# Altium PCB CHEM_CONTROL_BOX.PcbDoc (part 3 of 3)
Units mil, origin at the board's own origin, x right, y up, seen from the top; angles counter-clockwise.
Board outline 17180 x 8000 mil, 2 copper layers (Top Layer, Bottom Layer), stack 65.3 mil thick; 278 components, 287 nets, 1298 pads, 479 vias.
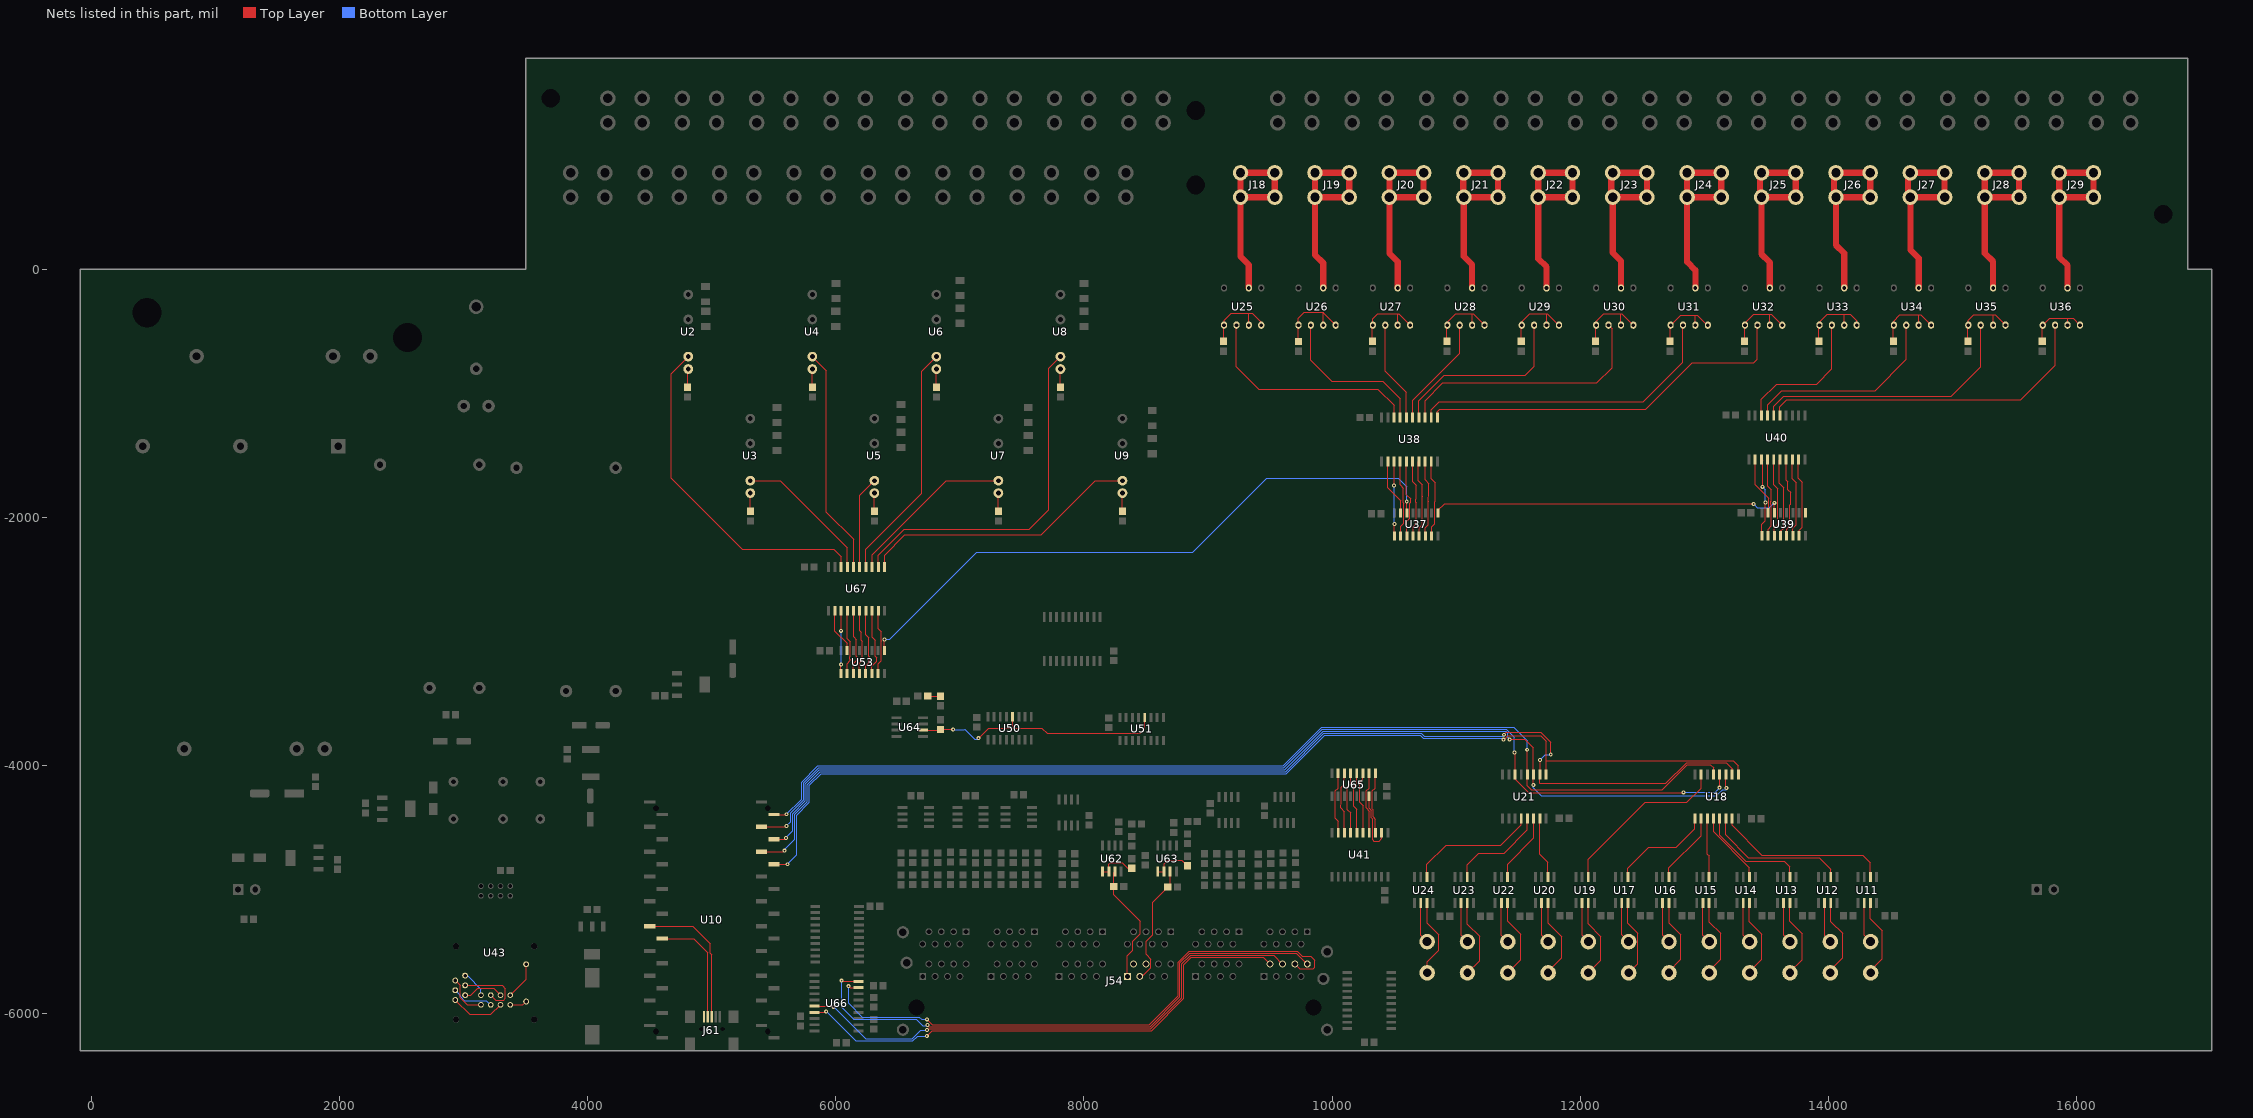
[diagram p3: the nets of this part, all layers, seen from the top]

## Via types
v1: diameter 32, hole 15, Top Layer to Bottom Layer, tented both sides, 259 vias
v2: diameter 40, hole 20, Top Layer to Bottom Layer, tented both sides, 217 vias
v3: diameter 32, hole 15, Top Layer to Bottom Layer, 3 vias

## Nets (pads, with @x,y where several pads share a name; then routed paths per layer and width w, separated by ;. In a path a pad name is that pad's centre, name@x,y a point inside that pad or via, vN(x,y) a via of type N, cw(c..) or ccw(c..) an arc to the next point about the centre after c; other vN are vias at no path point) (continued)
NetR1_2: R1.2 U25.1 U25.3 U25.4 | length 642.5
  Top Layer w6: R1.2@9125,-580.63 U25.1@9125,-454 ; U25.1@9129,-450 9129,-410 9186,-353 9325,-353 ; U25.3@9329,-450 9329,-357 9325,-353 ; U25.4@9429,-450 9429,-427 9355,-353 9325,-353
NetR2_2: R2.2 U2.4 | length 141.6
  Top Layer w8: R2.2@4805,-950.63 U2.4@4805,-809
NetR3_2: R3.2 U3.4 | length 146.6
  Top Layer w8: R3.2@5310,-1950.63 U3.4@5310,-1804
NetR4_2: R4.2 U4.4 | length 146.6
  Top Layer w8: R4.2@5810,-950.63 U4.4@5810,-804
NetR5_2: R5.2 U5.4 | length 146.6
  Top Layer w8: R5.2@6310,-1950.63 U5.4@6310,-1804
NetR6_2: R6.2 U6.4 | length 146.6
  Top Layer w8: R6.2@6810,-950.63 U6.4@6810,-804
NetR7_2: R7.2 U7.4 | length 146.6
  Top Layer w8: R7.2@7310,-1950.63 U7.4@7310,-1804
NetR8_2: R8.2 U8.4 | length 146.6
  Top Layer w8: R8.2@7810,-950.63 U8.4@7810,-804
NetR9_2: R9.2 U9.4 | length 146.6
  Top Layer w8: R9.2@8310,-1950.63 U9.4@8310,-1804
NetR10_2: R10.2 U26.1 U26.3 U26.4 | length 647.3
  Top Layer w6: R10.2@9728,-581.63 U26.1@9728,-451 ; U26.1@9729,-450 9729,-395 9776,-348 9927,-348 9929,-350 ; U26.3@9929,-450 9929,-350 ; U26.4@10029,-450 9929,-350
NetR11_2: R11.2 U27.1 U27.3 U27.4 | length 629.2
  Top Layer w6: R11.2@10325,-580.63 U27.1@10325,-454 ; U27.1@10329,-450 10329,-397 10368,-358 10537,-358 ; U27.3@10529,-450 10529,-366 10537,-358 ; U27.4@10629,-450 10537,-358
NetR12_2: R12.2 U28.1 U28.3 U28.4 | length 614
  Top Layer w6: R12.2@10925,-580.63 10925,-454 U28.1@10929,-450 10929,-426 10996,-359 11126,-359 ; U28.3@11129,-450 11129,-362 11126,-359 ; U28.4@11229,-450 11138,-359 11126,-359
NetR13_2: R13.2 U29.1 U29.3 U29.4 | length 615.4
  Top Layer w6: R13.2@11525,-580.63 U29.1@11525,-454 ; U29.1@11529,-450 11529,-423 11595,-357 11736,-357 ; U29.3@11729,-450 11729,-364 11736,-357 ; U29.4@11829,-450 11736,-357
NetR14_2: R14.2 U30.1 U30.3 U30.4 | length 614.7
  Top Layer w6: R14.2@12125,-580.63 U30.1@12125,-454 ; U30.1@12129,-450 12129,-420 12192,-357 12330,-357 ; U30.3@12329,-450 12329,-358 12330,-357 ; U30.4@12429,-450 12336,-357 12330,-357
NetR15_2: R15.2 U31.1 U31.3 U31.4 | length 580.2
  Top Layer w6: R15.2@12725,-580.63 12725,-454 U31.1@12729,-450 12809,-370 12925,-370 ; U31.3@12929,-450 12929,-374 12925,-370 ; U31.4@13029,-450 13025,-450 12945,-370 12925,-370
NetR16_2: R16.2 U32.1 U32.3 U32.4 | length 597.1
  Top Layer w6: R16.2@13325,-580.63 U32.1@13325,-454 ; U32.1@13329,-450 13329,-430 13398,-361 13540,-361 U32.4@13629,-450 ; U32.3@13529,-450 13529,-365
NetR17_2: R17.2 U33.1 U33.3 U33.4 | length 618.3
  Top Layer w6: R17.2@13925,-580.63 U33.1@13925,-454 ; U33.1@13929,-450 13929,-427 13992,-364 14130,-364 ; U33.3@14129,-450 14129,-365 14130,-364 ; U33.4@14229,-450 14229,-415 14178,-364 14130,-364
NetR18_2: R18.2 U34.1 U34.3 U34.4 | length 595.9
  Top Layer w6: R18.2@14525,-580.63 U34.1@14525,-454 ; U34.1@14529,-450 14529,-417 14578,-368 14729,-368 ; U34.3@14729,-450 14729,-368 ; U34.4@14829,-450 14747,-368 14729,-368
NetR19_2: R19.2 U35.1 U35.3 U35.4 | length 603.5
  Top Layer w6: R19.2@15125,-580.63 U35.1@15125,-454 ; U35.1@15129,-450 15129,-411 15174,-366 15330,-366 ; U35.3@15329,-450 15329,-367 15330,-366 ; U35.4@15429,-450 15345,-366 15330,-366
NetR20_2: R20.2 U36.1 U36.3 U36.4 | length 526.2
  Top Layer w6: R20.2@15725,-580.63 U36.1@15725,-454 ; U36.1@15729,-450 15784,-395 15974,-395 U36.4@16029,-450 ; U36.3@15929,-450 15929,-396
NetR35_1: R35.1 U50.12 U51.12 U64.6 | length 2103.7
  Top Layer w8: U64.6@6700.32,-3715 6839.37,-3715 R35.1@6845,-3709.37 6945.37,-3709.37 v1(6946,-3710) ; v1@7150,-3790 v1(7150,-3780) 7232,-3698 7445,-3698 ; U50.12@7425,-3607.48 7425,-3678 7445,-3698 ; U51.12@8490,-3612.48 8490,-3704 8453,-3741 7703,-3741 7660,-3698 7445,-3698
  Bottom Layer w8: v1(6946,-3710) 7036,-3710 7037,-3709 7118,-3790 7150,-3790 v1(7150,-3780)
NetR36_1: R36.1 R63.2 | length 105.9
  Top Layer w8: R63.2@6739.37,-3440 6844.37,-3440 R36.1@6845,-3440.63
NetR45_1: R45.1 U62.1 U62.2 | length 316.9
  Top Layer w8: U62.1@8150,-4855.31 U62.2@8200,-4855.31 8200,-4798 8214,-4784 8309,-4784 8354.37,-4829.37 R45.1@8385,-4829.37
NetR48_1: R48.1 U63.1 U63.2 | length 334.3
  Top Layer w8: U63.1@8595,-4855.31 U63.2@8645,-4855.31 8646,-4854.31 8646,-4790 8672,-4764 8789.63,-4764 R48.1@8835,-4809.37
NetU2_3: U2.3 U67.18 | length 2752.2
  Top Layer w8: U2.3@4810,-704 4672,-842 4672,-1685 5244,-2257 5983,-2257 6042.02,-2316.02 U67.18@6042.02,-2398.69
NetU3_3: U3.3 U67.17 | length 1161
  Top Layer w8: U3.3@5310,-1704 5553,-1704 6092.02,-2243.02 U67.17@6092.02,-2398.69
NetU4_3: U4.3 U67.16 | length 1832.2
  Top Layer w8: U4.3@5810,-704 5922,-816 5922,-1957 6142.02,-2177.02 U67.16@6142.02,-2398.69
NetU5_3: U5.3 U67.15 | length 743.6
  Top Layer w8: U67.15@6192.02,-2398.69 6192.02,-1821.98 U5.3@6310,-1704
NetU6_3: U6.3 U67.14 | length 1929.9
  Top Layer w8: U67.14@6242.02,-2398.69 6242.02,-2256.98 6692,-1807 6692,-822 U6.3@6810,-704
NetU7_3: U7.3 U67.13 | length 1363
  Top Layer w8: U67.13@6292.02,-2398.69 6292.02,-2300.98 6889,-1704 U7.3@7310,-1704
NetU8_3: U8.3 U67.12 | length 2892
  Top Layer w8: U67.12@6342.02,-2398.69 6342.02,-2306.98 6553,-2096 7559,-2096 7718,-1937 7718,-796 U8.3@7810,-704
NetU9_3: U9.3 U67.11 | length 2261.2
  Top Layer w8: U67.11@6392.02,-2398.69 6392.02,-2303.98 6557,-2139 7657,-2139 8092,-1704 U9.3@8310,-1704
NetU11_6: U11.6 U18.15 | length 1411.4
  Top Layer w8: U18.15@13225,-4428.15 13225,-4483 13464,-4722 14280,-4722 14340,-4782 U11.6@14340,-4899.68
NetU12_6: U12.6 U18.14 | length 1154.6
  Top Layer w8: U18.14@13175,-4428.15 13175,-4560 13357,-4742 13925.6,-4742 14020,-4836.4 U12.6@14020,-4899.68
NetU13_6: U13.6 U18.13 | length 887.4
  Top Layer w8: U18.13@13125,-4428.15 13125,-4562.37 13333.63,-4771 13644,-4771 13690,-4817 U13.6@13690,-4899.68
NetU14_6: U14.6 U18.12 | length 591.7
  Top Layer w8: U18.12@13075,-4428.15 13075,-4535 13365,-4825 U14.6@13365,-4899.68
NetU15_6: U15.6 U18.11 | length 477.7
  Top Layer w8: U18.11@13025,-4428.15 13025,-4714 13040,-4729 U15.6@13040,-4899.68
NetU16_6: U16.6 U18.10 | length 579.2
  Top Layer w8: U16.6@12715,-4899.68 12715,-4825 12975,-4565 U18.10@12975,-4428.15
NetU17_6: U17.6 U18.9 | length 825.3
  Top Layer w8: U17.6@12385,-4899.68 12385,-4827 12552,-4660 12774,-4660 12925,-4509 U18.9@12925,-4428.15
NetU18_7: U18.7 U19.6 | length 1401
  Top Layer w8: U19.6@12065,-4899.68 12065,-4757 12524,-4298 12859,-4298 12975,-4182 U18.7@12975,-4071.85
NetU20_6: U20.6 U21.15 | length 498.5
  Top Layer w8: U21.15@11675,-4428.15 11675,-4714 11740,-4779 U20.6@11740,-4899.68
NetU21_12: U21.12 U24.6 | length 1044.1
  Top Layer w8: U24.6@10765,-4899.68 10765,-4798 10921,-4642 11361,-4642 11525,-4478 U21.12@11525,-4428.15
NetU21_13: U21.13 U23.6 | length 792.5
  Top Layer w8: U23.6@11090,-4899.68 11090,-4799 11183,-4706 11388,-4706 11575,-4519 U21.13@11575,-4428.15
NetU21_14: U21.14 U22.6 | length 558.5
  Top Layer w8: U22.6@11415,-4899.68 11415,-4794 11625,-4584 U21.14@11625,-4428.15
NetU25_2: U25.2 U38.18 | length 1834.4
  Top Layer w6: U25.2@9229,-450 9229,-786 9408,-965 10370,-965 10499.28,-1094.28 U38.18@10499.28,-1194.69
NetU26_2: U26.2 U38.17 | length 1282.6
  Top Layer w6: U26.2@9829,-450 9829,-731 9999,-901 10408,-901 10549.28,-1042.28 U38.17@10549.28,-1194.69
NetU27_2: U27.2 U38.16 | length 815.2
  Top Layer w6: U27.2@10429,-450 10429,-821 10599.28,-991.28 U38.16@10599.28,-1194.69
NetU28_2: U28.2 U38.15 | length 902
  Top Layer w6: U38.15@10649.28,-1194.69 10649.28,-1056.72 11029,-677 U28.2@11029,-450
NetU29_2: U29.2 U38.14 | length 1511.7
  Top Layer w6: U38.14@10699.28,-1194.69 10699.28,-1058.72 10906,-852 11558,-852 11629,-781 U29.2@11629,-450
NetU30_2: U30.2 U38.13 | length 2111.2
  Top Layer w6: U38.13@10749.28,-1194.69 10749.28,-1057.72 10891,-916 12135,-916 12259,-792 12259,-480 U30.2@12229,-450
NetU31_2: U31.2 U38.12 | length 2549
  Top Layer w6: U38.12@10799.28,-1194.69 10799.28,-1132.72 10865.28,-1066.72 12510.28,-1066.72 12829,-748 U31.2@12829,-450
NetU32_2: U32.2 U38.11 | length 3076.2
  Top Layer w6: U38.11@10849.28,-1194.69 10849.28,-1148.72 10869.28,-1128.72 12528.28,-1128.72 12902,-755 13399,-755 13429,-725 U32.2@13429,-450
NetU33_2: U33.2 U40.18 | length 1153.5
  Top Layer w6: U40.18@13460.89,-1178.94 13460.89,-1048.11 13584,-925 13907,-925 14029,-803 U33.2@14029,-450
NetU34_2: U34.2 U40.17 | length 1632
  Top Layer w6: U40.17@13510.89,-1178.94 13510.89,-1093.11 13627,-977 14378,-977 14629,-726 U34.2@14629,-450
NetU35_2: U35.2 U40.16 | length 2210.7
  Top Layer w6: U40.16@13560.89,-1178.94 13560.89,-1104.11 13643,-1022 14993,-1022 15229,-786 U35.2@15229,-450
NetU36_2: U36.2 U40.15 | length 2752.5
  Top Layer w6: U40.15@13610.89,-1178.94 13610.89,-1106.11 13666,-1051 15552,-1051 15829,-774 U36.2@15829,-450
NetU37_1: U37.1 U38.3 | length 601.8
  Top Layer w8: U38.3@10499.28,-1549.02 10500,-1549.74 v1(10500,-1742) ; v1(10502,-2053) 10502.5,-2053.5 U37.1@10502.5,-2149.53
  Bottom Layer w8: v1(10500,-1742) 10502,-1744 v1(10502,-2053)
NetU37_2: U37.2 U38.4 | length 622.1
  Top Layer w8: U38.4@10549.28,-1549.02 10549.28,-1738.28 10574,-1763 10574,-1882.6 10577,-1885.6 10577,-2047 10552.5,-2071.5 U37.2@10552.5,-2149.53
NetU37_3: U37.3 U38.5 | length 627.9
  Top Layer w8: U38.5@10599.28,-1549.02 10599.28,-1815.28 10634,-1850 10634,-1878.6 10626.31,-1886.28 10626.31,-2006.86 10602.5,-2030.67 U37.3@10602.5,-2149.53
NetU37_4: U37.4 U38.6 | length 628.8
  Top Layer w8: U38.6@10649.28,-1549.02 10649.28,-1713.28 10678,-1742 10678,-1850.4 10673,-1855.4 10673,-1878.6 10678,-1883.6 10678,-2006.17 10680,-2008.17 10680,-2047 10652.5,-2074.5 U37.4@10652.5,-2149.53
NetU37_5: U37.5 U38.7 | length 629.8
  Top Layer w8: U38.7@10699.28,-1549.02 10696,-1552.29 10696,-1705 10729,-1738 10729,-1803.4 10725,-1807.4 10725,-1830.6 10729,-1834.6 10729,-1878.6 10728.69,-1878.9 10728.69,-2058.31 10702.5,-2084.5 U37.5@10702.5,-2149.53
NetU37_6: U37.6 U38.8 | length 626.5
  Top Layer w8: U38.8@10749.28,-1549.02 10749.28,-1698.28 10781,-1730 10781,-1830.6 10775,-1836.6 10775,-1871.6 10776.31,-1872.91 10776.31,-2057.69 10752.5,-2081.5 U37.6@10752.5,-2149.53
NetU37_7: U37.7 U38.9 | length 626.5
  Top Layer w8: U38.9@10799.28,-1549.02 10798,-1550.29 10798,-1688 10831,-1721 10831,-1871.6 10828,-1874.6 10828,-2050 10802.5,-2075.5 U37.7@10802.5,-2149.53
NetU37_9: U37.9 U39.14 | length 2866
  Top Layer w8: U37.9@10852.5,-1964.49 10852.5,-1943.5 10907,-1889 13397,-1889 v1(13399,-1891) ; U39.14@13565,-1962.48 v1(13565,-1882)
  Bottom Layer w8: v1(13399,-1891) 13429,-1921 13526,-1921 v1(13565,-1882)
NetU37_14: U37.14 U53.9 | length 5078.9
  Top Layer w8: U53.9@6390.33,-3073.09 6390.33,-2984.67 v1(6391,-2984) ; v1(10602,-1871) 10602.5,-1871.5 U37.14@10602.5,-1964.49
  Bottom Layer w8: v1(6391,-2984) 6433,-2984 7136,-2281 8877,-2281 9473,-1685 10535,-1685 10602,-1752 v1(10602,-1871)
NetU37_15: U37.15 U38.2 | length 458.2
  Top Layer w8: U38.2@10449.28,-1549.02 10449.28,-1762.28 10552.5,-1865.5 U37.15@10552.5,-1964.49
NetU39_1: U39.1 U40.3 | length 639.2
  Top Layer w6: U40.3@13460.89,-1533.27 13471,-1543.38 v1(13471,-1753) ; U39.1@13465,-2147.52 13465,-2055 13492.19,-2027.81 13492.19,-1919.71 13493,-1918.9 v1(13493,-1880)
  Bottom Layer w6: v1(13471,-1753) 13493,-1775 v1(13493,-1880)
NetU39_2: U39.2 U40.4 | length 640
  Top Layer w6: U40.4@13510.89,-1533.27 13510.89,-1746.89 13541,-1777 13541,-1867.82 13538,-1870.82 13538,-1893.18 13541,-1896.18 13541,-2068 13515,-2094 U39.2@13515,-2147.52
NetU39_3: U39.3 U40.5 | length 638.3
  Top Layer w6: U40.5@13560.89,-1533.27 13560.89,-1735.89 13592,-1767 13592,-2054 13565,-2081 U39.3@13565,-2147.52
NetU39_4: U39.4 U40.6 | length 643.2
  Top Layer w6: U40.6@13610.89,-1533.27 13604,-1540.16 13604,-1723 13641,-1760 13641,-2087.12 13615,-2113.12 U39.4@13615,-2147.52
NetU39_5: U39.5 U40.7 | length 641.6
  Top Layer w6: U40.7@13660.89,-1533.27 13660.89,-1701.89 13672,-1713 13672,-1775 13696,-1799 13696,-1893 13690,-1899 13690,-2069 13665,-2094 U39.5@13665,-2147.52
NetU39_6: U39.6 U40.8 | length 638.3
  Top Layer w6: U40.8@13710.89,-1533.27 13710.89,-1689.89 13742,-1721 13742,-2059 13715,-2086 U39.6@13715,-2147.52
NetU39_7: U39.7 U40.9 | length 638.2
  Top Layer w6: U40.9@13760.89,-1533.27 13758,-1536.16 13758,-1686 13789,-1717 13789,-2079.12 13765,-2103.12 U39.7@13765,-2147.52
NetU39_9: U39.9
NetU39_15: U39.15 U40.2 | length 476.5
  Top Layer w6: U40.2@13410.89,-1533.27 13410.89,-1734.89 13520,-1844 13520,-1957.48 U39.15@13515,-1962.48
NetU41_2: U41.2 U65.15 | length 494.7
  Top Layer w8: U65.15@10299,-4247.52 10299,-4343.37 10316,-4360.37 10316,-4420 10326.19,-4430.19 10326.19,-4599.19 10336,-4609 10379,-4609 10400,-4588 U41.2@10400,-4542.83
NetU41_3: U41.3 U65.1 | length 500.5
  Top Layer w8: U65.1@10349,-4062.48 10349,-4181.34 10325.19,-4205.15 10325.19,-4346.93 10332,-4353.75 10332,-4413.37 10350,-4431.37 U41.3@10350,-4542.83
NetU41_4: U41.4 U65.2 | length 500.5
  Top Layer w8: U65.2@10299,-4062.48 10299,-4181.34 10275.19,-4205.15 10275.19,-4342.19 10300,-4367 U41.4@10300,-4542.83
NetU41_5: U41.5 U65.3 | length 501.5
  Top Layer w8: U65.3@10249,-4062.48 10249,-4112 10224,-4137 10224,-4296.4 10250,-4322.4 U41.5@10250,-4542.83
NetU41_6: U41.6 U65.4 | length 500.5
  Top Layer w8: U65.4@10199,-4062.48 10199,-4146 10175.19,-4169.81 10175.19,-4327.59 10200,-4352.4 U41.6@10200,-4542.83
NetU41_7: U41.7 U65.5 | length 501.5
  Top Layer w8: U65.5@10149,-4062.48 10149,-4145 10124,-4170 10124,-4355.6 10150,-4381.6 U41.7@10150,-4542.83
NetU41_8: U41.8 U65.6 | length 506.4
  Top Layer w8: U65.6@10099,-4062.48 10099,-4149.75 10075.19,-4173.56 10075.19,-4311.21 10068,-4318.4 10068,-4341.6 10100,-4373.6 U41.8@10100,-4542.83
NetU41_9: U41.9 U65.7 | length 500.5
  Top Layer w8: U65.7@10049,-4062.48 10049,-4181.34 10025.19,-4205.15 10025.19,-4425.19 10050,-4450 U41.9@10050,-4542.83
NetU43_1: U43.1 U43.16 | length 139.2
  Top Layer w8: U43.16@3375.07,-5929.78 3475.93,-5929.78 U43.1@3503.02,-5902.69
NetU43_2: U43.2 U43.15 | length 301.3
  Top Layer w8: U43.15@3375.07,-5851.04 3503.02,-5723.09 U43.2@3503.02,-5602.69
NetU43_3: U43.3 U43.14 | length 444.5
  Top Layer w8: U43.3@2932.02,-5890.69 3048.33,-6007 3219.11,-6007 U43.14@3296.33,-5929.78
NetU43_4: U43.4 U43.13 | length 331
  Top Layer w8: U43.4@3011.02,-5851.29 3056.71,-5851.29 3112,-5796 3241.29,-5796 U43.13@3296.33,-5851.04
NetU43_5: U43.5 U43.12 | length 340.7
  Bottom Layer w8: U43.5@2932.02,-5811.89 2971.35,-5851.22 2971.35,-5862 3004.35,-5895 3182.81,-5895 U43.12@3217.59,-5929.78
NetU43_6: U43.6 U43.11 | length 556.4
  Top Layer w8: U43.6@3011.02,-5772.49 3308.49,-5772.49 3336,-5800 3336,-5878 3321,-5893 3259.55,-5893 U43.11@3217.59,-5851.04
NetU43_7: U43.7 U43.10 | length 346.8
  Top Layer w8: U43.7@2932.02,-5733.09 2970,-5771.07 2970,-5871 3028.78,-5929.78 U43.10@3138.85,-5929.78
NetU43_8: U43.8 U43.9 | length 221.8
  Bottom Layer w8: U43.8@3011.02,-5693.69 3030.69,-5693.69 3138.85,-5801.85 U43.9@3138.85,-5851.04
NetU53_1: U53.1 U67.3 | length 506.6
  Top Layer w6: U53.1@6040.33,-3258.13 6040.33,-3189.67 v1(6043,-3187) ; v1(6042,-2914) U67.3@6042.02,-2753.02
  Bottom Layer w6: v1(6042,-2914) 6043,-2915 v1(6043,-3187)
NetU53_2: U53.2 U67.4 | length 528.2
  Top Layer w6: U53.2@6090.33,-3258.13 6090.33,-3179 6116,-3153.33 6116,-3147.18 6113,-3144.18 6113,-3121.82 6116,-3118.82 6116,-3002 6092.02,-2978.02 U67.4@6092.02,-2753.02
NetU53_3: U53.3 U67.5 | length 526.5
  Top Layer w6: U53.3@6140.33,-3258.13 6140.33,-3177.67 6167,-3151 6167,-3121.82 6165,-3119.82 6165,-2987 6142.02,-2964.02 U67.5@6142.02,-2753.02
NetU53_4: U53.4 U67.6 | length 524
  Top Layer w6: U53.4@6190.33,-3258.13 6190.33,-3173.67 6214,-3150 6214,-3002.18 6203.21,-2991.4 6203.21,-2926.03 6192.02,-2914.84 U67.6@6192.02,-2753.02
NetU53_5: U53.5 U67.7 | length 528.2
  Top Layer w6: U53.5@6240.33,-3258.13 6240.33,-3195.67 6269,-3167 6269,-3122.82 6265,-3118.82 6265,-2969 6242.02,-2946.02 U67.7@6242.02,-2753.02
NetU53_6: U53.6 U67.8 | length 537.3
  Top Layer w6: U53.6@6290.33,-3258.13 6290.33,-3199.67 6330,-3160 6330,-3131.82 6316,-3117.82 6316,-2989 6292.02,-2965.02 U67.8@6292.02,-2753.02
NetU53_7: U53.7 U67.9 | length 529.9
  Top Layer w6: U53.7@6340.33,-3258.13 6340.33,-3180.67 6367.52,-3153.48 6367.52,-2998.7 6364,-2995.18 6364,-2972.82 6367.52,-2969.3 6367.52,-2922.52 6342.02,-2897.02 U67.9@6342.02,-2753.02
NetU53_15: U53.15 U67.2 | length 360.8
  Top Layer w8: U67.2@5992.02,-2753.02 5992.02,-2918.02 6090.33,-3016.33 U53.15@6090.33,-3073.09
PRESSURE_SENSE+_0: J54.10-1 R47.2 U62.3 | length 979.4
  Top Layer w8: U62.3@8250,-4855.31 8240.63,-4864.68 R47.2@8240.63,-4975 8240.63,-5042.63 8453,-5255 8453,-5358.2 8395,-5416.2 8395,-5489 8349.8,-5534.2 J54.10-1@8349.8,-5700.16
PRESSURE_SENSE+_1: J54.10-3 R50.2 U63.3 | length 990.5
  Top Layer w8: J54.10-3@8449.8,-5700.16 8470.84,-5700.16 8539.36,-5631.64 8539.36,-5560.6 8501,-5522.24 8501,-5417 8554,-5364 8554,-5101.63 R50.2@8675.63,-4980 8695,-4960.63 U63.3@8695,-4855.31
PRESSURE_SENSE-_0: J54.10-2
PRESSURE_SENSE-_1: J54.10-4
RS232_RX_IN_0: J54.12-4 U66.16 | length 4366.1
  Top Layer w8: U66.16@5827.83,-5940 5977,-5940 v1(5982,-5945) ; v1(6735,-6133) 6746.5,-6121.5 8539.75,-6121.5 8790,-5871.25 8790,-5598.37 8860,-5528.37 9528.22,-5528.37 J54.12-4@9600,-5600.16
  Bottom Layer w8: v1(5982,-5945) 6240,-6203 6614.37,-6203 6652.37,-6165 6653,-6165 6685,-6133 6731,-6133 v1@6731,-6121 ; v1(6735,-6133) v1@6735,-6125
RS232_RX_IN_1: J54.12-8 U66.9 | length 4614
  Top Layer w8: v1(6047,-5735) 6052,-5740 U66.9@6182.17,-5740 ; v1(6738,-6093) 6750.5,-6105.5 8533.13,-6105.5 8774,-5864.63 8774,-5591.75 8853.37,-5512.37 9712.22,-5512.37 J54.12-8@9800,-5600.16
  Bottom Layer w8: v1(6047,-5735) 6047,-5947 6144,-6044 6649,-6044 6701,-6096 6738,-6096 v1(6738,-6093)
RS232_TX_OUT_0: J54.12-2 U66.17 | length 4236
  Top Layer w8: U66.17@5827.83,-5990 5914,-5990 v1(5922,-5982) ; v1(6733,-6181) 6776.5,-6137.5 8546.38,-6137.5 8806,-5877.88 8806,-5605 8866.63,-5544.37 9444.22,-5544.37 J54.12-2@9500,-5600.16
  Bottom Layer w8: v1(5922,-5982) 6159,-6219 6621,-6219 6659,-6181 v1(6733,-6181)
RS232_TX_OUT_1: J54.12-6 U66.8 | length 4724.2
  Top Layer w8: v1(6103,-5779) 6114,-5790 U66.8@6182.17,-5790 ; v1(6734,-6046) 6777.5,-6089.5 8526.5,-6089.5 8758,-5858 8758,-5585.12 8846.75,-5496.37 9718.84,-5496.37 9761.31,-5538.84 9828.84,-5538.84 9859,-5569 9859,-5628 9847.28,-5639.72 9739.56,-5639.72 J54.12-6@9700,-5600.16
  Bottom Layer w8: v1(6103,-5779) 6103,-5917.37 6213.63,-6028 6674,-6028 6692,-6046 v1(6734,-6046)
SOLENOID_POWER_0: J18.1 U25.6 | length 1705.3
  Top Layer w50: U25.6@9329,-150 9329,36 9262,103 J18.1@9262,581.5 ; J18.1@9262,581.5 J18.1@9538,581.5 J18.1@9538,778.5 J18.1@9262,778.5 J18.1@9262,581.5
SOLENOID_POWER_1: J19.1 U26.6 | length 1705.3
  Top Layer w50: U26.6@9929,-150 9929,51 9862,118 J19.1@9862,581.5 ; J19.1@9862,581.5 J19.1@10138,581.5 J19.1@10138,778.5 J19.1@9862,778.5 J19.1@9862,581.5
SOLENOID_POWER_2: J20.1 U27.6 | length 1705.3
  Top Layer w50: U27.6@10529,-150 10529,61 10462,128 J20.1@10462,581.5 ; J20.1@10462,581.5 J20.1@10738,581.5 J20.1@10738,778.5 J20.1@10462,778.5 J20.1@10462,581.5
SOLENOID_POWER_3: J21.1 U28.6 | length 1693.4
  Top Layer w50: J21.1@11058,595 11058,774.5 J21.1@11062,778.5 J21.1@11338,778.5 J21.1@11338,581.5 J21.1@11062,581.5 11062,105 11129,38 U28.6@11129,-150
SOLENOID_POWER_4: J22.1 U29.6 | length 1705.3
  Top Layer w50: U29.6@11729,-150 11729,19 11662,86 J22.1@11662,581.5 ; J22.1@11662,581.5 J22.1@11938,581.5 J22.1@11938,778.5 J22.1@11662,778.5 J22.1@11662,581.5
SOLENOID_POWER_5: J23.1 U30.6 | length 1717.7
  Top Layer w50: J23.1@12250,574 12250,766.5 J23.1@12262,778.5 J23.1@12538,778.5 J23.1@12538,581.5 J23.1@12262,581.5 12262,135 12329,68 U30.6@12329,-150
SOLENOID_POWER_6: J24.1 U31.6 | length 1706.5
  Top Layer w50: J24.1@12853,584 12862,593 J24.1@12862,778.5 J24.1@13138,778.5 J24.1@13138,581.5 J24.1@12862,581.5 12862,60 12929,-7 U31.6@12929,-150
SOLENOID_POWER_7: J25.1 U32.6 | length 1713.1
  Top Layer w50: J25.1@13449,579 13449,765.5 J25.1@13462,778.5 J25.1@13738,778.5 J25.1@13738,581.5 J25.1@13462,581.5 13462,123 13529,56 U32.6@13529,-150
SOLENOID_POWER_8: J26.1 U33.6 | length 1694
  Top Layer w50: J26.1@14047,599 14047,763.5 J26.1@14062,778.5 J26.1@14338,778.5 J26.1@14338,581.5 J26.1@14062,581.5 14062,196 14129,129 U33.6@14129,-150
SOLENOID_POWER_9: J27.1 U34.6 | length 1714.6
  Top Layer w50: J27.1@14643,580 14643,759.5 J27.1@14662,778.5 J27.1@14938,778.5 J27.1@14938,581.5 J27.1@14662,581.5 14662,157 14729,90 U34.6@14729,-150
SOLENOID_POWER_10: J28.1 U35.6 | length 1715.2
  Top Layer w50: J28.1@15269,570 J28.1@15262,577 ; U35.6@15329,-150 15329,63 15262,130 J28.1@15262,577 ; J28.1@15262,577 J28.1@15262,581.5 ; J28.1@15262,581.5 J28.1@15538,581.5 J28.1@15538,778.5 J28.1@15262,778.5 J28.1@15262,581.5
SOLENOID_POWER_11: J29.1 U36.6 | length 1705.3
  Top Layer w50: U36.6@15929,-150 15929,32 15862,99 J29.1@15862,581.5 ; J29.1@15862,581.5 J29.1@16138,581.5 J29.1@16138,778.5 J29.1@15862,778.5 J29.1@15862,581.5
TEMP+_0: J42.+ U11.3 | length 640.1
  Top Layer w8: U11.3@14340,-5110.31 14340,-5237 14436,-5333 14436,-5557 14341.38,-5651.62 J42.+@14341.38,-5671.46
TEMP+_1: J43.+ U12.3 | length 641.3
  Top Layer w8: J43.+@14016.38,-5671.46 14016.38,-5648.62 14115,-5550 14115,-5354 14020,-5259 U12.3@14020,-5110.31
TEMP+_2: J44.+ U13.3 | length 643.4
  Top Layer w8: U13.3@13690,-5110.31 13690,-5257 13790,-5357 13790,-5564 13691.38,-5662.62 J44.+@13691.38,-5671.46
TEMP+_3: J45.+ U14.3 | length 643.4
  Top Layer w8: U14.3@13365,-5110.31 13365,-5259 13465,-5359 13465,-5560 13366.38,-5658.62 J45.+@13366.38,-5671.46
TEMP+_4: J46.+ U15.3 | length 636.8
  Top Layer w8: U15.3@13040,-5110.31 13040,-5262 13132,-5354 13132,-5562 13041.38,-5652.62 J46.+@13041.38,-5671.46
TEMP+_5: J47.+ U16.3 | length 640.1
  Top Layer w8: U16.3@12715,-5110.31 12716.38,-5111.69 12716.38,-5270.49 12811,-5365.11 12811,-5563 12716.38,-5657.62 J47.+@12716.38,-5671.46
TEMP+_6: J48.+ U17.3 | length 625.5
  Top Layer w8: U17.3@12385,-5110.31 12385,-5272 12465.88,-5352.88 12465.88,-5596.96 J48.+@12391.38,-5671.46
TEMP+_7: J49.+ U19.3 | length 645.1
  Top Layer w8: U19.3@12065,-5110.31 12065,-5277 12167,-5379 12167,-5570.83 J49.+@12066.38,-5671.46
TEMP+_8: J50.+ U20.3 | length 651.7
  Top Layer w8: U20.3@11740,-5110.31 11741.38,-5111.69 11741.38,-5270.49 11850,-5379.11 11850,-5550 11741.38,-5658.62 J50.+@11741.38,-5671.46
TEMP+_9: J51.+ U22.3 | length 648.4
  Top Layer w8: U22.3@11415,-5110.31 11415,-5256 11521,-5362 11521,-5566.83 J51.+@11416.38,-5671.46
TEMP+_10: J52.+ U23.3 | length 643.4
  Top Layer w8: U23.3@11090,-5110.31 11090,-5278 11190,-5378 11190,-5572.83 J52.+@11091.38,-5671.46
TEMP+_11: J53.+ U24.3 | length 638.4
  Top Layer w8: U24.3@10765,-5110.31 10766.38,-5111.69 10766.38,-5270.49 10859,-5363.11 10859,-5489 10766.38,-5581.62 J53.+@10766.38,-5671.46
TEMP-_0: J42.K U11.2 | length 330.5
  Top Layer w8: U11.2@14290,-5110.31 14290,-5368.11 J42.K@14341.38,-5419.49
TEMP-_1: J43.K U12.2 | length 328.4
  Top Layer w8: U12.2@13970,-5110.31 13970,-5373.11 J43.K@14016.38,-5419.49
TEMP-_2: J44.K U13.2 | length 330.5
  Top Layer w8: U13.2@13640,-5110.31 13640,-5368.11 J44.K@13691.38,-5419.49
TEMP-_3: J45.K U14.2 | length 330.5
  Top Layer w8: U14.2@13315,-5110.31 13315,-5368.11 J45.K@13366.38,-5419.49
TEMP-_4: J46.K U15.2 | length 330.5
  Top Layer w8: U15.2@12990,-5110.31 12990,-5368.11 J46.K@13041.38,-5419.49
TEMP-_5: J47.K U16.2 | length 330.5
  Top Layer w8: U16.2@12665,-5110.31 12665,-5368.11 J47.K@12716.38,-5419.49
TEMP-_6: J48.K U17.2 | length 332.5
  Top Layer w8: U17.2@12335,-5110.31 12335,-5363.11 J48.K@12391.38,-5419.49
TEMP-_7: J49.K U19.2 | length 330.5
  Top Layer w8: U19.2@12015,-5110.31 12015,-5368.11 J49.K@12066.38,-5419.49
TEMP-_8: J50.K U20.2 | length 330.5
  Top Layer w8: U20.2@11690,-5110.31 11690,-5368.11 J50.K@11741.38,-5419.49
TEMP-_9: J51.K U22.2 | length 330.5
  Top Layer w8: U22.2@11365,-5110.31 11365,-5368.11 J51.K@11416.38,-5419.49
TEMP-_10: J52.K U23.2 | length 330.5
  Top Layer w8: U23.2@11040,-5110.31 11040,-5368.11 J52.K@11091.38,-5419.49
TEMP-_11: J53.K U24.2 | length 330.5
  Top Layer w8: U24.2@10715,-5110.31 10715,-5368.11 J53.K@10766.38,-5419.49
TEMP_SENSE_A0: U10.15 U18.1 U21.1 | length 8883.8
  Top Layer w8: U10.15@5500,-4795 5608,-4795 v1(5609,-4796) ; v1@11382,-3780 11391,-3789 11418,-3762 11681,-3762 11725,-3806 11725,-3968 ; U21.1@11725,-4071.85 11725,-3968 ; U18.1@13275,-4071.85 13275,-4001 13236,-3962 11731,-3962 11725,-3968
  Bottom Layer w8: v1(5609,-4796) 5684,-4721 5684,-4400.51 5787,-4297.51 5787,-4160.51 5880.51,-4067 9631.37,-4067 9941.37,-3757 10711.63,-3757 10734.63,-3780 11382,-3780 v1(11382,-3792)
TEMP_SENSE_A1: U10.16 U18.2 U21.2 | length 9100.6
  Top Layer w8: U10.16@5400,-4695 5577,-4695 v1(5585,-4687) ; v1(11387,-3752) 11406,-3733 11683,-3733 11763,-3813 v1(11763,-3912) ; v1(11677,-3957) 11677,-4069.85 U21.2@11675,-4071.85 11675,-4144 12691.37,-4144 12857.37,-3978 13178,-3978 13225,-4025 U18.2@13225,-4071.85
  Bottom Layer w8: v1(5585,-4687) 5585,-4678.63 5668,-4595.63 5668,-4393.88 5771,-4290.88 5771,-4153.88 5873.88,-4051 9624.75,-4051 9934.75,-3741 10718.25,-3741 10741.25,-3764 11382,-3764 11387,-3759 v1(11387,-3752) ; v1(11677,-3957) 11677,-3952 11717,-3912 v1(11763,-3912)
TEMP_SENSE_A2: U10.17 U18.3 U21.3 | length 8772.9
  Top Layer w8: U10.17@5500,-4595 5588,-4595 v1(5599,-4584) ; v1(11432,-3790) 11555,-3790 11621,-3856 11621,-4067.85 U21.3@11625,-4071.85 11622,-4074.85 v1(11622,-4157) ; U18.3@13175,-4071.85 13175,-4178 v1(13178,-4181)
  Bottom Layer w8: v1(5599,-4584) 5599,-4578.63 5652,-4525.63 5652,-4387.25 5755,-4284.25 5755,-4147.25 5867.25,-4035 9618.12,-4035 9929.12,-3724 11398.6,-3724 11415,-3740.4 11415,-3773 v1(11432,-3790) ; v1(11622,-4157) 11622,-4179 11687,-4244 13098.6,-4244 13148.6,-4194 13178,-4194 v1(13178,-4181)
TEMP_SENSE_A3: U10.18 U18.4 U21.6 | length 8701.6
  Top Layer w8: U10.18@5400,-4495 5593,-4495 v1(5601,-4487) ; v1(11470,-3895) 11475,-3900 U21.6@11475,-4071.85 11475,-4109 11584,-4218 12830,-4218 v1(12832,-4216) ; v1(13124,-4179) 13124,-4072.85 U18.4@13125,-4071.85
  Bottom Layer w8: v1(5601,-4487) 5636,-4452 5636,-4380.63 5739,-4277.63 5739,-4140.63 5860.63,-4019 9611.49,-4019 9922.49,-3708 11405.23,-3708 11470,-3772.77 v1(11470,-3895) ; v1(12832,-4216) 13088,-4216 13124,-4180 v1(13124,-4179)
TEMP_SENSE_CS: U10.19 U18.5 U21.4 | length 8512.7
  Top Layer w8: U10.19@5500,-4395 5599,-4395 v1(5601,-4393) ; v1(11573,-3873) 11575,-3875 U21.4@11575,-4071.85 11575,-4164 11606,-4195 12663,-4195 12864,-3994 13050,-3994 13075,-4019 U18.5@13075,-4071.85
  Bottom Layer w8: v1(5601,-4393) 5723,-4271 5723,-4134 5854,-4003 9604.86,-4003 9915.86,-3692 11464,-3692 11573,-3801 v1(11573,-3873)
USB_DM: J61.2 U10.32 | length 929.5
  Top Layer w8: U10.32@4600,-5395 4853,-5395 4968.5,-5510.5 J61.2@4968.5,-6023.67
USB_DP: J61.3 U10.31 | length 1138.5
  Top Layer w8: U10.31@4500,-5295 4846,-5295 4988,-5437 4988,-5513.25 5000,-5525.25 J61.3@5000,-6023.67
VBUS: J61.1
pads on no net: J1.M1 J54.10-5 J54.10-6 J54.10-7 J54.10-8 J54.ALIGN J54.SHEILD J61.4 J61.MOUNT1 J61.MOUNT2 U1.MOUNT U10.3 U10.4 U10.33 U10.34 U10.35 U10.36 U10.37 U10.38 U10.39 U10.40 U10.M1 U10.M2 U10.M3 U10.M4 U11.8 U12.8 U13.8 U14.8 U15.8 U16.8 U17.8 U19.8 U20.8 U21.7 U21.9 U21.10 U21.11 U22.8 U23.8 U24.8 U25.5 U26.5 U27.5 U28.5 U29.5 U30.5 U31.5 U32.5 U33.5 U34.5 U35.5 U36.5 U40.11 U40.12 U40.13 U40.14 U42.8 U42.9 U42.11 U42.12 U43.20 U43.M1 U44.4 U51.6 U51.7 U51.8 U52.9 U52.19 U57.5 U57.6 U57.7 U58.6 U58.7 U58.8 U58.9 U58.19 U62.4 U62.8 U64.4 U64.5 U66.11

## Polygon pours and split planes (outlines as drawn)
120VAC on Bottom Layer "BOT-120VAC" (solid, remove dead copper, pour order 25): 8500,-1000 4500,-1000 4500,-1300 8500,-1300 8500,-1000
120VAC on Bottom Layer "TOP-GND" (solid, remove dead copper, pour order 23): 4500,75 9225,75 9225,-225 9675,-225 9675,-50 9800,-50 9800,-225 10250,-225 10250,-50 10400,-50 10400,-225 10850,-225 10850,-50 11000,-50 11000,-225 11454,-225 11450,-221 11450,-50 11600,-50 11600,-225 12050,-225 12050,-50 12200,-50 12200,-225 12654,-225 12650,-221 12650,-50 12800,-50 12800,-225 13251.5,-225 13250,-223.5 13250,-50 13400,-50 13400,-225 13854,-225 13850,-221 13850,-50 14000,-50 14000,-225 14454,-225 14454,-54 14450,-50 14600,-50 14600,-225 15050,-225 15050,-50 15200,-50 15200,-225 15650,-225 15650,-50 15825,-50 15825,-375 8150,-375 8152.47,-597 4502.13,-597
120VAC_RETURN on Bottom Layer "BOT-120VAC-RET-2" (solid, remove dead copper, pour order 20): 16750,275 cw(c16650,275) 16650,175 4450,175 3915,-398 2125,-400 2125,-975 1000,-975 1000,-50 3550,-50 3550,1650 16750,1650
120VAC on Bottom Layer "TOP-120VAC-4" (solid, remove dead copper, pour order 32): 3004,-622 3148,-478 3798,-478 3870,-478 4021,-327 4454,106 4604,106 5053,106 5089,70 5089,-500 5089,-516 4992,-613 4985,-620 4706,-620 4706,-1284 4600,-1390 4196,-1390 3935,-1129 3831,-1025 3500,-1025 3142,-1025 3081,-964 3003,-886 3003,-622
NetJ1_L on Bottom Layer "TOP_120VAC_PRESWITCH-2" (solid, remove dead copper, pour order 37): 2150,-450 2150,-1430 3480,-1430 3480,-450 2150,-450
GND on Bottom Layer "BOT-GND" (solid, pour order 19): 50,-6250 50,-2170 4460,-2170 4470,-2170 4470,-1480 8880,-1480 8880,-480 16950,-480 16950,-6250
HEATER_POWER_1 on Top Layer "H1" (solid, remove dead copper, pour order 24): 5425,-1300 5200,-1300 5200,-1175 5200,-1100 5350,-1100 5325,-1100 5325,0 5325,175 4900,175 4875,175 4875,925 4875,950 4350,950 4400,950 4400,0 4400,-50 5075,-50 5050,-50 5050,-750 5050,-1575 5425,-1575 5425,-1300
HEATER_POWER_2 on Top Layer "H2" (solid, remove dead copper, pour order 26): 5875,-300 5700,-300 5700,-100 5700,275 5525,275 5475,275 5475,650 5475,950 4975,950 4925,950 4925,350 4925,200 5350,200 5375,200 5375,-450 5375,-600 5875,-600 5925,-600 5925,-300 5875,-300
HEATER_POWER_3 on Top Layer "H3" (solid, remove dead copper, pour order 27): 6250,-1300 6250,-1100 6300,-1100 6300,150 6075,150 6075,950 5500,950 5500,300 5750,300 5750,-25 6075,-25 6075,-1550 6450,-1550 6450,-1300
HEATER_POWER_4 on Top Layer "H4" (solid, remove dead copper, pour order 28): 6825,-550 6350,-550 6350,175 6350,200 6100,200 6100,950 6625,950 6675,950 6675,575 6675,-300 6875,-300 6925,-300 6925,-550 6825,-550
HEATER_POWER_5 on Top Layer "H5" (solid, remove dead copper, pour order 29): 7325,-1525 7000,-1525 7000,-525 7075,-525 7075,-50 6750,-50 6725,-50 6725,950 7275,950 7300,950 7300,175 7300,50 7375,50 7350,50 7350,-550 7350,-1100 7225,-1100 7200,-1100 7200,-1250 7200,-1275 7425,-1275 7450,-1275 7450,-1525 7325,-1525
HEATER_POWER_6 on Top Layer "H6" (solid, remove dead copper, pour order 30): 7800,-300 7675,-300 7675,-100 7675,-50 7850,-50 7875,-50 7875,700 7875,950 7350,950 7350,100 7375,100 7400,100 7400,-525 7900,-525 7925,-525 7925,-300 7800,-300
HEATER_POWER_7 on Top Layer "H7" (solid, remove dead copper, pour order 31): 8250,-1300 8250,-975 8625,-975 8625,950 7900,950 7900,-50 7975,-50 7975,-1600 8450,-1600 8450,-1300
HEATER_POWER_0 on Top Layer "H0" (solid, remove dead copper, pour order 22): 4275,-300 4275,950 3771,950 3771,-525 4875,-525 4875,-300
120VAC_RETURN on Top Layer "TOP-GND-120_RETURN" (solid, remove dead copper, pour order 33): 16750,1650 16750,995 16270,995 3730,995 3730,515 3730,-395 2135,-395 2130,-395 2130,-975 1000,-975 1000,-50 1000,-25 3525,-25 3525,1650
NetJ1_L on Top Layer "TOP-120-PRE_SWITCH" (solid, remove dead copper, pour order 34): 2150,-425 2150,-1425 3480,-1425 3480,-425 2150,-425
GND on Top Layer "TOP-GND" (solid, remove dead copper, pour order 21): 50,-6250 50,-2170 4470,-2170 4470,-1480 8880,-1480 8880,-480 16950,-480 16950,-6250
+3.3V on Top Layer "TOP-3.3v" (solid, remove dead copper, pour order 18): 4432,-3175 4432,-3591 5092,-3591 5092,-3175 4432,-3175

## Keep-outs
Keep-Out Layer:
  lines w50: 2850,-6300 2850,-5400 3650,-5400 3650,-6300

## Silkscreen, mask and mechanical layers (free items; w line width, h text height)
Top Overlay:
  rectangle: 9515,1480 12150,1645
  rectangle: 13550,1480 16490,1645
  rectangle: 6850,1480 8730,1645
  rectangle: 3825,1470 5445,1635
  rectangle: 14310,190 16490,355
  rectangle: 9515,190 11400,355
  rectangle: 3820,190 5045,355
  rectangle: 7630,200 8725,365
  rectangle: -90,-6300 0,0
  rectangle: 17000,-6300 17090,0
  text "NEUTRAL" at 13500,1655 h350 r180
  text "NEUTRAL" at 6795,1645 h350 r180
  text "1" at 10090,1040 h350 r180
  text "2" at 10685,1040 h350 r180
  text "0" at 4075,1035 h350 r180
  text "1" at 4665,1035 h350 r180
  text "4" at 6505,1035 h350 r180
  text "7" at 8280,1035 h350 r180
  text "0" at 9475,1035 h350 r180
  text "3" at 11285,1035 h350 r180
  text "4" at 11910,1035 h350 r180
  text "6" at 13075,1035 h350 r180
  text "8" at 13675,1035 h350 r180
  text "9" at 14275,1035 h350 r180
  text "10" at 14965,1035 h350 r180
  text "11" at 15555,1035 h350 r180
  text "12" at 16160,1035 h350 r180
  text "6" at 7685,1030 h350 r180
  text "5" at 12485,1030 h350 r180
  text "2" at 5270,1025 h350 r180
  text "3" at 5875,1025 h350 r180
  text "5" at 7080,1025 h350 r180
  text "HEATER OUTPUTS" at 7590,365 h350 r180
  text "SOLENOID OUTPUTS" at 14275,355 h350 r180
  text "W" at 14492,-2205 h2000
  text "Wavenumber LLC" at 14534,-2377 h200
  text "Rioux Chem Control Box" at 14542,-2550 h200
  text "Rev" at 14532,-2742 h200
  text ".PROJECT_REVISION" at 14876,-2744 h200
  text "2013.9.23" at 14521,-2916 h200
  text "J59" at 4500,-4226 h75
  text "J60" at 5386,-4228 h75
Board Outline:
  the board outline again, w10
Panel Align:
  lines w10: 17000,-6300 17000,78.74 0,78.74 0,-6300 ; 0,-6300 17086.61,-6300 17086.61,-6378.74 0,-6378.74 0,-6300
Route:
  lines w50: 2850,-6300 2850,-5400 ; 3650,-6300 3650,-5400
Score:
  lines w50: 2870,-5400 3650,-5400

## Dimensions
16900,1700 to 17090,-6300 on Mechanical 16
-90,-6300 to 17090,-6300 on Mechanical 16

## Text inside footprints (layer, text, board x,y; h text height)
J1: Top Overlay "NEUTRAL" at 1917.32,-217.13 h98.43 r270; Top Overlay "LINE" at 2218.5,-433.66 h98.43 r270
J54: Top Overlay "1" at 9850,-5350.16 h59.06
U10: Top Overlay "20" at 5330,-4265 h60 r180; Top Overlay "40" at 4450,-6175 h60 r180; Top Overlay "21" at 4700,-4255 h60 r180; Top Overlay "1" at 5580,-6165 h60 r180
U44: Top Overlay "1" at 1917.52,-1455.51 h137.8 r90; Top Overlay "2" at 1135.04,-1455.51 h137.8 r90; Top Overlay "3" at 352.56,-1453.54 h137.8 r90; Top Overlay "4" at 1814.17,-3906.3 h137.8 r90; Top Overlay "5" at 1588.78,-3897.44 h137.8 r90; Top Overlay "6" at 680.31,-3895.47 h137.8 r90; Top Overlay "EARTH" at 2020.87,-1785.24 h100 r90; Top Overlay "AC (N)" at 1231.5,-1748.82 h100 r90; Top Overlay "AC (L)" at 439.17,-1737.99 h100 r90; Top Overlay "TRIM" at 1908.66,-3791.14 h100 r90; Top Overlay "-Vo" at 1679.33,-3799.02 h100 r90; Top Overlay "+V0" at 765.94,-3791.14 h100 r90
U45: Top Overlay "-Vo" at 2659,-3442 h100 r90; Top Overlay "3" at 3169,-3310 h137.8 r90; Top Overlay "4" at 2767,-3315 h137.8 r90; Top Overlay "AC (L)" at 2453,-1756 h100 r90; Top Overlay "AC (N)" at 3048,-1779 h100 r90; Top Overlay "+Vo" at 3061,-3442 h100 r90; Top Overlay "2" at 3164,-1701 h137.8 r90; Top Overlay "1" at 2362,-1684 h137.8 r90
U46: Top Overlay "-Vo" at 3759,-3467 h100 r90; Top Overlay "3" at 4269,-3335 h137.8 r90; Top Overlay "4" at 3867,-3340 h137.8 r90; Top Overlay "AC (L)" at 3553,-1781 h100 r90; Top Overlay "AC (N)" at 4148,-1804 h100 r90; Top Overlay "+Vo" at 4161,-3467 h100 r90; Top Overlay "2" at 4264,-1726 h137.8 r90; Top Overlay "1" at 3462,-1709 h137.8 r90
U47: Top Overlay "40X40X10MM FAN" at 541.34,-6178.74 h196.85
U48: Top Overlay "40X40X10MM FAN" at 15041.34,-6178.74 h196.85